# Altium PCB PCB_3U_DAC.PCBDOC (part 6 of 9) (continued)
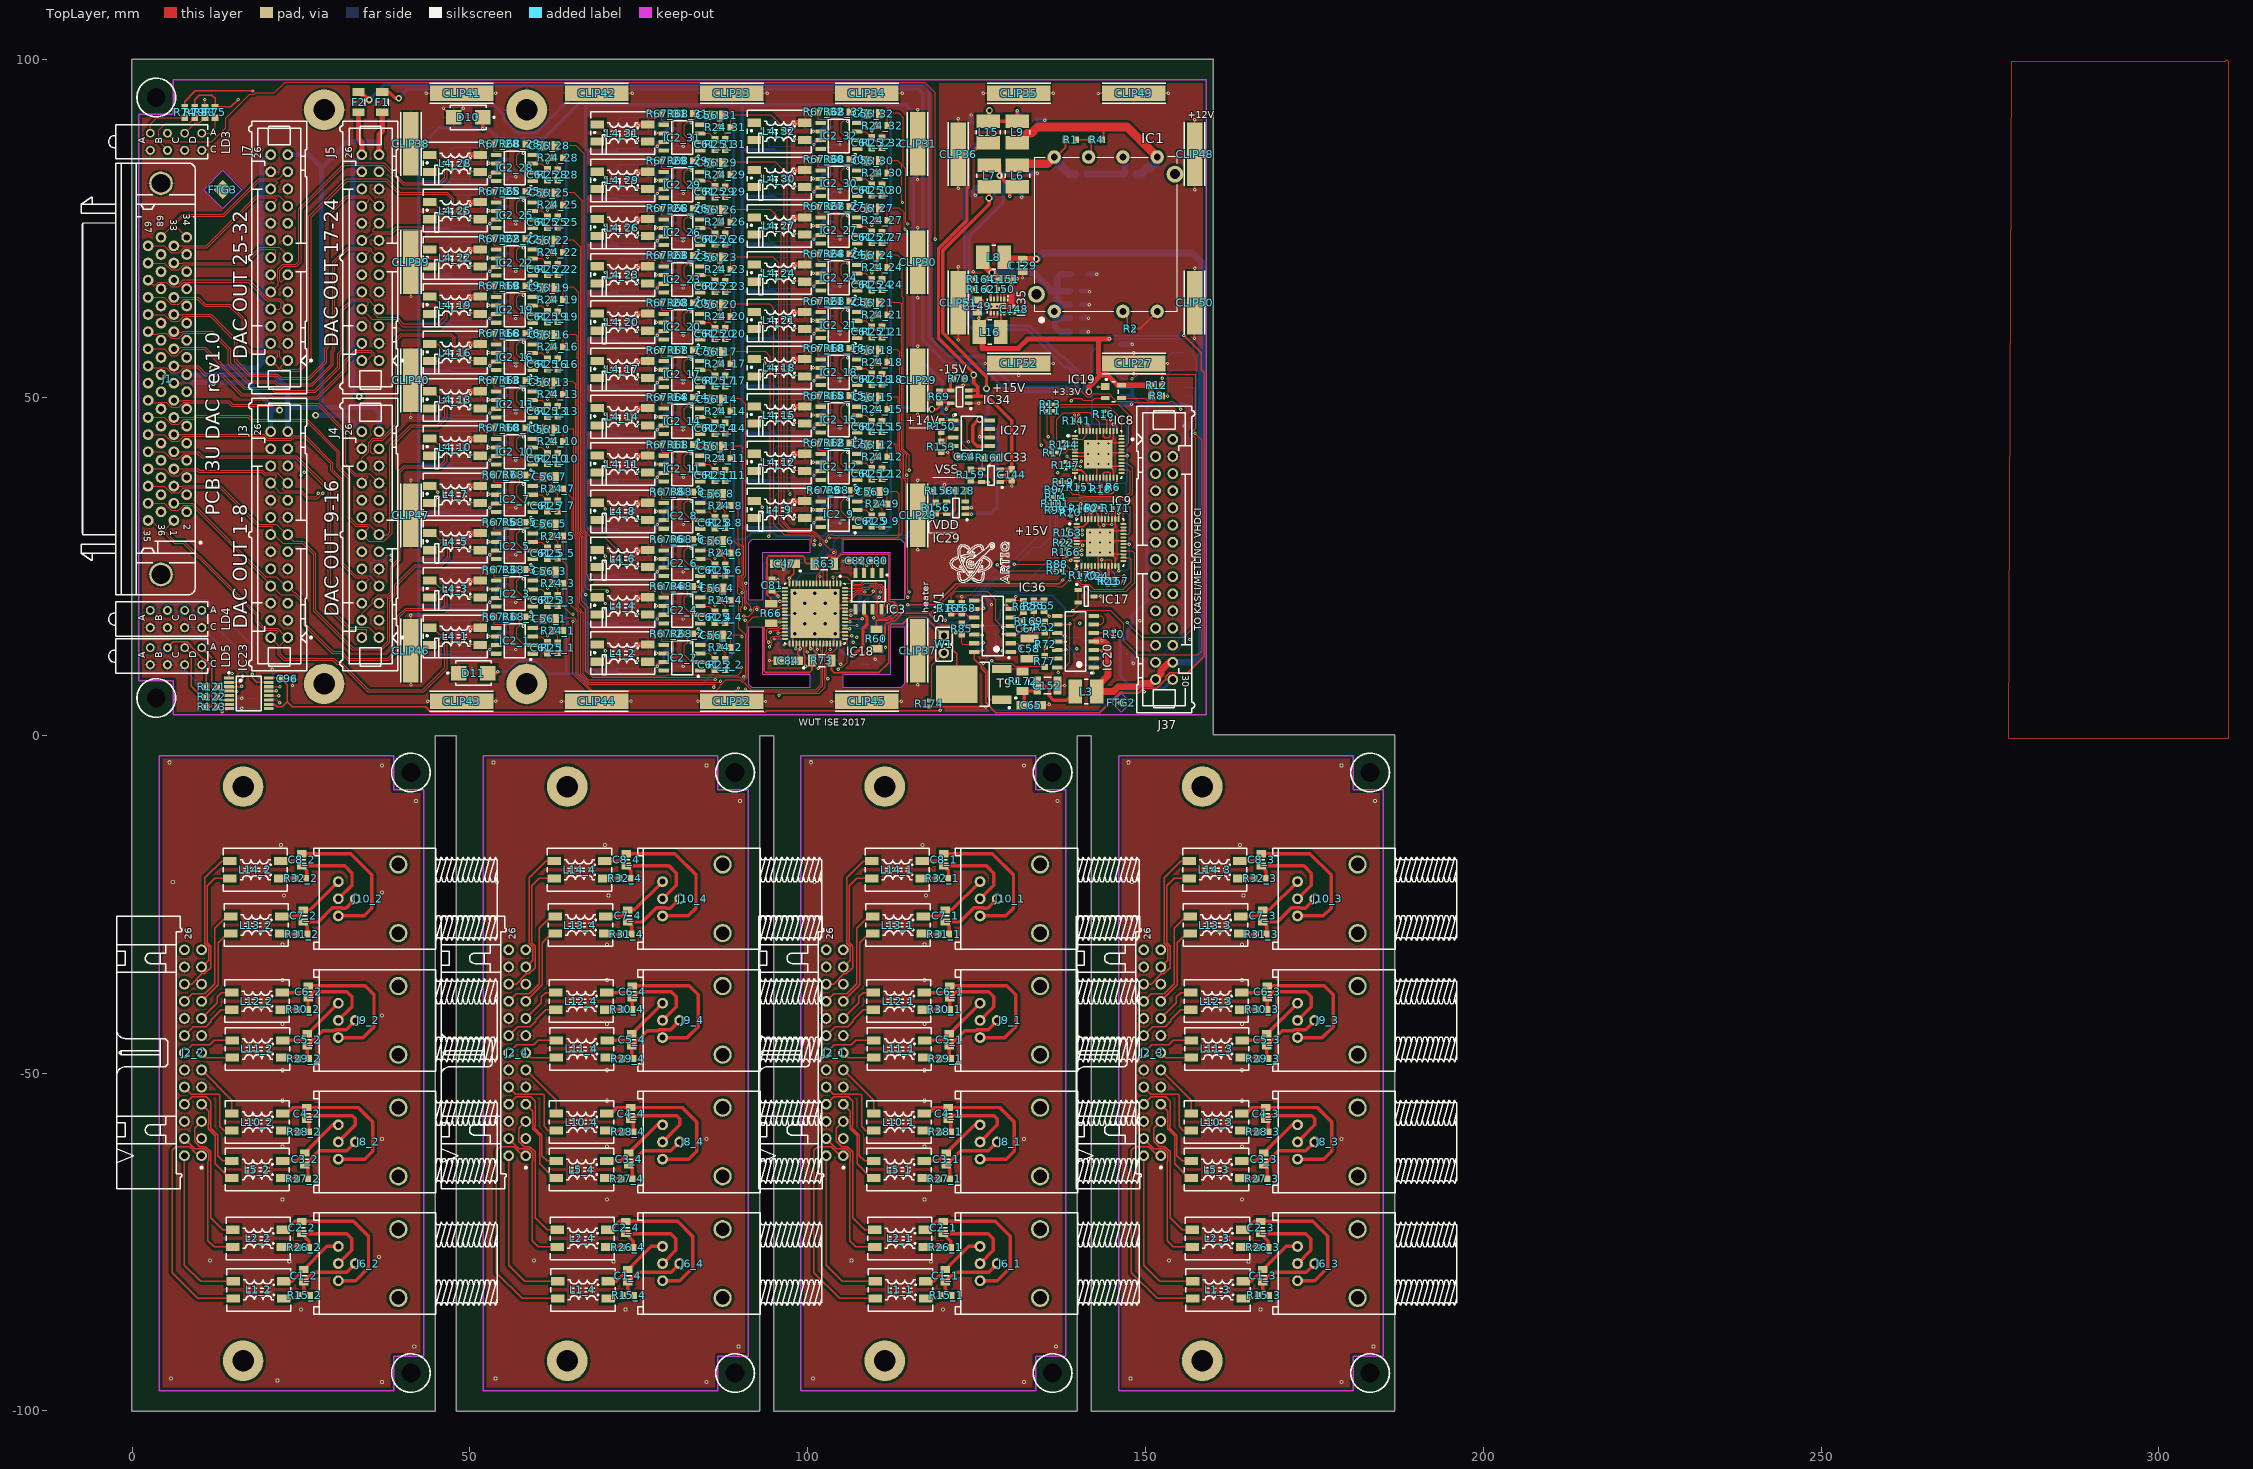
[diagram p0: TopLayer view]
## Nets (pads, with @x,y where several pads share a name; then routed paths per layer and width w, separated by ;. In a path a pad name is that pad's centre, name@x,y a point inside that pad or via, vN(x,y) a via of type N, cw(c..) or ccw(c..) an arc to the next point about the centre after c; other vN are vias at no path point) (continued)
NetC3_1_2: C3_1.2 J8_1.4 R27_1.1 | length 11.1
  TopLayer w0.508: R27_1.1@121.02,-65.634 121.02,-64.133 C3_1.2@120.525,-63.638 122.644,-61.519 126.734,-61.519 J8_1.4@128.047,-60.206
NetC3_2_1: C3_2.1 J8_2.1 L5_2.2 | length 10.5
  TopLayer w0.508: L5_2.2@22.265,-63.017 24.346,-63.017 C3_2.1@25.525,-61.838 29.697,-57.666 J8_2.1@30.507,-57.666
NetC3_2_2: C3_2.2 J8_2.4 R27_2.1 | length 11.1
  TopLayer w0.508: R27_2.1@26.02,-65.634 26.02,-64.133 C3_2.2@25.525,-63.638 27.644,-61.519 31.734,-61.519 J8_2.4@33.047,-60.206
NetC3_3_1: C3_3.1 J8_3.1 L5_3.2 | length 10.5
  TopLayer w0.508: L5_3.2@164.265,-63.017 166.346,-63.017 C3_3.1@167.525,-61.838 171.697,-57.666 J8_3.1@172.507,-57.666
NetC3_3_2: C3_3.2 J8_3.4 R27_3.1 | length 11.1
  TopLayer w0.508: R27_3.1@168.02,-65.634 168.02,-64.133 C3_3.2@167.525,-63.638 169.644,-61.519 173.734,-61.519 J8_3.4@175.047,-60.206
NetC3_4_1: C3_4.1 J8_4.1 L5_4.2 | length 10.5
  TopLayer w0.508: L5_4.2@70.265,-63.018 72.346,-63.018 C3_4.1@73.525,-61.838 77.697,-57.666 J8_4.1@78.507,-57.666
NetC3_4_2: C3_4.2 J8_4.4 R27_4.1 | length 11.1
  TopLayer w0.508: R27_4.1@74.02,-65.634 74.02,-64.133 C3_4.2@73.525,-63.638 75.644,-61.519 79.734,-61.519 J8_4.4@81.047,-60.206
NetC4_1_1: C4_1.1 J8_1.3 L10_1.2 | length 24.5
  TopLayer w0.508: L10_1.2@117.265,-55.982 117.965,-55.982 118.839,-55.107 C4_1.1@120.83,-55.107 128.444,-55.107 130.588,-57.252 130.588,-61.57 129.412,-62.746 J8_1.3@125.507,-62.746
NetC4_1_2: C4_1.2 J8_1.2 R28_1.1 | length 14
  TopLayer w0.508: R28_1.1@121.173,-58.699 121.173,-57.25 C4_1.2@120.83,-56.907 121.4,-56.337 127.591,-56.337 128.048,-56.794 128.048,-57.664 J8_1.2@125.507,-60.206
NetC4_2_1: C4_2.1 J8_2.3 L10_2.2 | length 24.5
  TopLayer w0.508: L10_2.2@22.265,-55.982 22.965,-55.982 23.839,-55.107 C4_2.1@25.83,-55.107 33.444,-55.107 35.588,-57.252 35.588,-61.57 34.412,-62.746 J8_2.3@30.507,-62.746
NetC4_2_2: C4_2.2 J8_2.2 R28_2.1 | length 14
  TopLayer w0.508: R28_2.1@26.173,-58.699 26.173,-57.25 C4_2.2@25.83,-56.907 26.4,-56.337 32.591,-56.337 33.048,-56.794 33.048,-57.664 J8_2.2@30.507,-60.206
NetC4_3_1: C4_3.1 J8_3.3 L10_3.2 | length 24.5
  TopLayer w0.508: L10_3.2@164.265,-55.982 164.965,-55.982 165.839,-55.107 C4_3.1@167.83,-55.107 175.444,-55.107 177.588,-57.252 177.588,-61.57 176.412,-62.746 J8_3.3@172.507,-62.746
NetC4_3_2: C4_3.2 J8_3.2 R28_3.1 | length 14
  TopLayer w0.508: R28_3.1@168.173,-58.699 168.173,-57.25 C4_3.2@167.83,-56.907 168.4,-56.337 174.591,-56.337 175.048,-56.794 175.048,-57.664 J8_3.2@172.507,-60.206
NetC4_4_1: C4_4.1 J8_4.3 L10_4.2 | length 24.5
  TopLayer w0.508: L10_4.2@70.265,-55.982 70.965,-55.982 71.839,-55.107 C4_4.1@73.83,-55.107 81.444,-55.107 83.588,-57.252 83.588,-61.57 82.412,-62.746 J8_4.3@78.507,-62.746
NetC4_4_2: C4_4.2 J8_4.2 R28_4.1 | length 14
  TopLayer w0.508: R28_4.1@74.173,-58.7 74.173,-57.25 C4_4.2@73.83,-56.907 74.4,-56.337 80.591,-56.337 81.048,-56.795 81.048,-57.665 J8_4.2@78.507,-60.206
NetC5_1_1: C5_1.1 J9_1.1 L11_1.2 | length 10.5
  TopLayer w0.508: L11_1.2@117.296,-45.165 119.961,-45.165 C5_1.1@120.937,-44.189 120.984,-44.189 J9_1.1@125.507,-39.666
NetC5_1_2: C5_1.2 J9_1.4 R29_1.1 | length 10.6
  TopLayer w0.508: R29_1.1@121.178,-47.858 120.937,-47.616 C5_1.2@120.937,-45.989 123.213,-43.713 124.869,-43.713 125.017,-43.565 126.688,-43.565 J9_1.4@128.047,-42.206
NetC5_2_1: C5_2.1 J9_2.1 L11_2.2 | length 10.5
  TopLayer w0.508: L11_2.2@22.296,-45.165 24.961,-45.165 C5_2.1@25.937,-44.189 25.984,-44.189 J9_2.1@30.507,-39.666
NetC5_2_2: C5_2.2 J9_2.4 R29_2.1 | length 10.6
  TopLayer w0.508: R29_2.1@26.178,-47.858 25.937,-47.616 C5_2.2@25.937,-45.989 28.213,-43.713 29.869,-43.713 30.017,-43.565 31.688,-43.565 J9_2.4@33.047,-42.206
NetC5_3_1: C5_3.1 J9_3.1 L11_3.2 | length 10.5
  TopLayer w0.508: L11_3.2@164.296,-45.165 166.961,-45.165 C5_3.1@167.937,-44.189 167.984,-44.189 J9_3.1@172.507,-39.666
NetC5_3_2: C5_3.2 J9_3.4 R29_3.1 | length 10.6
  TopLayer w0.508: R29_3.1@168.178,-47.858 167.937,-47.616 C5_3.2@167.937,-45.989 170.213,-43.713 171.869,-43.713 172.017,-43.565 173.688,-43.565 J9_3.4@175.047,-42.206
NetC5_4_1: C5_4.1 J9_4.1 L11_4.2 | length 10.5
  TopLayer w0.508: L11_4.2@70.296,-45.165 72.961,-45.165 C5_4.1@73.937,-44.189 73.984,-44.189 J9_4.1@78.507,-39.666
NetC5_4_2: C5_4.2 J9_4.4 R29_4.1 | length 10.6
  TopLayer w0.508: R29_4.1@74.178,-47.858 73.937,-47.617 C5_4.2@73.937,-45.989 76.213,-43.714 77.869,-43.714 78.017,-43.565 79.688,-43.565 J9_4.4@81.047,-42.206
NetC6_1_1: C6_1.1 J9_1.3 L12_1.2 | length 25.2
  TopLayer w0.508: L12_1.2@117.214,-38.095 120.032,-38.095 C6_1.1@121.033,-37.094 129.48,-37.094 130.792,-38.405 130.792,-43.129 129.175,-44.746 J9_1.3@125.507,-44.746
NetC6_1_2: C6_1.2 J9_1.2 R30_1.1 | length 13.2
  TopLayer w0.508: R30_1.1@121.02,-40.584 121.02,-38.93 121.978,-37.973 126.778,-37.973 127.54,-38.735 127.54,-40.172 J9_1.2@125.507,-42.206
NetC6_2_1: C6_2.1 J9_2.3 L12_2.2 | length 25.2
  TopLayer w0.508: L12_2.2@22.214,-38.095 25.032,-38.095 C6_2.1@26.033,-37.094 34.48,-37.094 35.792,-38.405 35.792,-43.129 34.175,-44.746 J9_2.3@30.507,-44.746
NetC6_2_2: C6_2.2 J9_2.2 R30_2.1 | length 13.2
  TopLayer w0.508: R30_2.1@26.02,-40.584 26.02,-38.93 26.978,-37.973 31.778,-37.973 32.54,-38.735 32.54,-40.172 J9_2.2@30.507,-42.206
NetC6_3_1: C6_3.1 J9_3.3 L12_3.2 | length 25.2
  TopLayer w0.508: L12_3.2@164.214,-38.095 167.032,-38.095 C6_3.1@168.033,-37.094 176.48,-37.094 177.792,-38.405 177.792,-43.129 176.175,-44.746 J9_3.3@172.507,-44.746
NetC6_3_2: C6_3.2 J9_3.2 R30_3.1 | length 13.2
  TopLayer w0.508: R30_3.1@168.02,-40.584 168.02,-38.93 168.978,-37.973 173.778,-37.973 174.54,-38.735 174.54,-40.172 J9_3.2@172.507,-42.206
NetC6_4_1: C6_4.1 J9_4.3 L12_4.2 | length 25.2
  TopLayer w0.508: L12_4.2@70.214,-38.095 73.032,-38.095 C6_4.1@74.033,-37.094 82.48,-37.094 83.792,-38.405 83.792,-43.129 82.175,-44.746 J9_4.3@78.507,-44.746
NetC6_4_2: C6_4.2 J9_4.2 R30_4.1 | length 13.2
  TopLayer w0.508: R30_4.1@74.02,-40.585 74.02,-38.931 74.978,-37.973 79.778,-37.973 80.54,-38.735 80.54,-40.173 J9_4.2@78.507,-42.206
NetC7_1_1: C7_1.1 J10_1.1 L13_1.2 | length 10.5
  TopLayer w0.508: L13_1.2@117.102,-26.821 119.361,-26.821 C7_1.1@120.337,-25.845 121.328,-25.845 J10_1.1@125.507,-21.666
NetC7_1_2: C7_1.2 J10_1.4 R31_1.1 | length 11.2
  TopLayer w0.508: R31_1.1@120.934,-29.437 120.934,-28.242 C7_1.2@120.337,-27.645 122.527,-27.645 124.607,-25.565 125.996,-25.565 126.034,-25.603 126.65,-25.603 J10_1.4@128.047,-24.206
NetC7_2_1: C7_2.1 J10_2.1 L13_2.2 | length 10.5
  TopLayer w0.508: L13_2.2@22.102,-26.821 24.361,-26.821 C7_2.1@25.337,-25.845 26.328,-25.845 J10_2.1@30.507,-21.666
NetC7_2_2: C7_2.2 J10_2.4 R31_2.1 | length 11.2
  TopLayer w0.508: R31_2.1@25.934,-29.437 25.934,-28.242 C7_2.2@25.337,-27.645 27.527,-27.645 29.607,-25.565 30.996,-25.565 31.034,-25.603 31.65,-25.603 J10_2.4@33.047,-24.206
NetC7_3_1: C7_3.1 J10_3.1 L13_3.2 | length 10.5
  TopLayer w0.508: L13_3.2@164.102,-26.821 166.361,-26.821 C7_3.1@167.337,-25.845 168.328,-25.845 J10_3.1@172.507,-21.666
NetC7_3_2: C7_3.2 J10_3.4 R31_3.1 | length 11.2
  TopLayer w0.508: R31_3.1@167.934,-29.437 167.934,-28.242 C7_3.2@167.337,-27.645 169.527,-27.645 171.607,-25.565 172.996,-25.565 173.034,-25.603 173.65,-25.603 J10_3.4@175.047,-24.206
NetC7_4_1: C7_4.1 J10_4.1 L13_4.2 | length 10.5
  TopLayer w0.508: L13_4.2@70.102,-26.821 72.361,-26.821 C7_4.1@73.337,-25.845 74.328,-25.845 J10_4.1@78.507,-21.666
NetC7_4_2: C7_4.2 J10_4.4 R31_4.1 | length 11.2
  TopLayer w0.508: R31_4.1@73.934,-29.437 73.934,-28.242 C7_4.2@73.337,-27.645 75.527,-27.645 77.607,-25.565 78.996,-25.565 79.034,-25.603 79.65,-25.603 J10_4.4@81.047,-24.206
NetC8_1_1: C8_1.1 J10_1.3 L14_1.2 | length 25.6
  TopLayer w0.508: L14_1.2@116.975,-18.642 119.005,-18.642 C8_1.1@120.108,-17.539 127.325,-17.539 130.461,-20.676 130.461,-25.603 129.318,-26.746 J10_1.3@125.507,-26.746
NetC8_1_2: C8_1.2 J10_1.2 R32_1.1 | length 14.7
  TopLayer w0.508: R32_1.1@120.73,-21.182 120.835,-21.078 120.835,-20.066 C8_1.2@120.108,-19.339 126.458,-19.339 127.54,-20.422 127.54,-22.172 J10_1.2@125.507,-24.206
NetC8_2_1: C8_2.1 J10_2.3 L14_2.2 | length 25.6
  TopLayer w0.508: L14_2.2@21.975,-18.642 24.005,-18.642 C8_2.1@25.108,-17.539 32.325,-17.539 35.461,-20.676 35.461,-25.603 34.318,-26.746 J10_2.3@30.507,-26.746
NetC8_2_2: C8_2.2 J10_2.2 R32_2.1 | length 14.7
  TopLayer w0.508: R32_2.1@25.73,-21.182 25.835,-21.078 25.835,-20.066 C8_2.2@25.108,-19.339 31.458,-19.339 32.54,-20.422 32.54,-22.172 J10_2.2@30.507,-24.206
NetC8_3_1: C8_3.1 J10_3.3 L14_3.2 | length 25.6
  TopLayer w0.508: L14_3.2@163.975,-18.642 166.005,-18.642 C8_3.1@167.108,-17.539 174.325,-17.539 177.461,-20.676 177.461,-25.603 176.318,-26.746 J10_3.3@172.507,-26.746
NetC8_3_2: C8_3.2 J10_3.2 R32_3.1 | length 14.7
  TopLayer w0.508: R32_3.1@167.73,-21.182 167.835,-21.078 167.835,-20.066 C8_3.2@167.108,-19.339 173.458,-19.339 174.54,-20.422 174.54,-22.172 J10_3.2@172.507,-24.206
NetC8_4_1: C8_4.1 J10_4.3 L14_4.2 | length 25.6
  TopLayer w0.508: L14_4.2@69.975,-18.642 72.005,-18.642 C8_4.1@73.108,-17.539 80.325,-17.539 83.461,-20.676 83.461,-25.603 82.318,-26.746 J10_4.3@78.507,-26.746
NetC8_4_2: C8_4.2 J10_4.2 R32_4.1 | length 14.7
  TopLayer w0.508: R32_4.1@73.73,-21.182 73.835,-21.078 73.835,-20.066 C8_4.2@73.108,-19.339 79.458,-19.339 80.54,-20.422 80.54,-22.173 J10_4.2@78.507,-24.206
NetC9_2: C9.2 C12.1 C78.2 C79.1 C81.2 IC3.6 IC18.18 IC18.41 | length 37.9
  TopLayer w0.127: C81.2@94.459,21.333 94.511,21.281 IC18.18@96.613,21.281 ; IC18.41@101.313,13.581 101.313,12.828 v1(101.444,12.697)
  TopLayer w0.508: C81.2@94.967,21.206 v1(95.602,20.571) ; v1(106.5,11.75) 106.719,11.75 108.175,13.205 108.175,15.745 108.771,16.341 108.771,17.459 108.491,17.738 108.471,17.738 108.344,17.865 IC3.6@108.344,18.62 v1(108.344,19.725)
  BottomLayer w0.254: v1(95.602,20.571) 95.658,20.515 96.039,20.515 96.491,20.063 96.491,15.237 95.504,14.25 95.504,14.041 95.475,14.012 95.475,12.824 96.872,11.427 C79.1@101.16,11.427
  BottomLayer w0.508: C12.1@94.586,20.347 95.378,20.347 v1(95.602,20.571) ; C79.1@101.16,11.427 101.16,12.54 101.316,12.697 C78.2@101.316,13.263 ; C78.2@101.444,13.332 103.347,13.332 103.4,13.385 104.058,13.385 105.693,11.75 v1(106.5,11.75) ; v1(108.344,19.725) C9.2@108.937,20.317
NetC13_2: C13.2 C14.1 C83.2 IC18.52 IC18.57 R7.2 | length 9.8
  TopLayer w0.152: IC18.52@105.513,15.781 v1(106.234,15.781) ; IC18.57@105.513,18.281 106.266,18.281 106.322,18.337 106.322,18.428 v1(106.397,18.503)
  Signal Layer 1 w0.152: v1(106.234,15.781) 105.734,16.281 105.734,17.763 106.397,18.427 v1(106.397,18.503)
  BottomLayer w0.152: C83.2@105.577,15.745 v1@106.27,15.745
  BottomLayer w0.508: C13.2@105.762,18.539 105.859,18.442 107.667,18.442 107.667,20.444 R7.2@107.794,20.571
NetC56_1_1: C56_1.1 R24_1.2 R25_1.1 | length 4
  TopLayer w0.152: C56_1.1@62.622,17.272 62.192,16.842 R24_1.2@62.192,15.494 62.992,14.694 R25_1.1@62.992,13.754
NetC56_1_2: C56_1.2 IC2_1.6 R39_1.1 R67_1.2 | length 20.1
  TopLayer w0.152: v1(52.796,14.651) 53.861,14.651 IC2_1.6@53.907,14.605 55.052,14.605 55.377,14.93 55.377,16.207 55.159,16.425 53.635,16.425 53.556,16.504 R67_1.2@53.556,17.526 ; v1(57.912,16.155) 58.58,16.823 58.866,16.823 59.315,17.272 C56_1.2@60.822,17.272
  BottomLayer w0.152: R39_1.1@51.763,12.306 51.763,13.917 52.497,14.651 v1(52.796,14.651) 52.796,15.744 53.772,16.72 56.429,16.72 56.994,16.155 v1(57.912,16.155)
NetC56_2_1: C56_2.1 R24_2.2 R25_2.1 | length 4
  TopLayer w0.152: C56_2.1@87.422,14.772 86.992,14.342 R24_2.2@86.992,12.994 87.792,12.194 R25_2.1@87.792,11.254
NetC56_2_2: C56_2.2 IC2_2.6 R39_2.1 R67_2.2 | length 20.1
  TopLayer w0.152: v1(77.596,12.151) 78.661,12.151 IC2_2.6@78.707,12.105 79.852,12.105 80.177,12.43 80.177,13.707 79.959,13.925 78.435,13.925 78.356,14.004 R67_2.2@78.356,15.026 ; v1(82.712,13.655) 83.38,14.323 83.666,14.323 84.115,14.772 C56_2.2@85.622,14.772
  BottomLayer w0.152: R39_2.1@76.563,9.806 76.563,11.417 77.297,12.151 v1(77.596,12.151) 77.596,13.244 78.572,14.22 81.229,14.22 81.794,13.655 v1(82.712,13.655)
NetC56_3_1: C56_3.1 R24_3.2 R25_3.1 | length 4
  TopLayer w0.152: C56_3.1@62.622,24.272 62.192,23.842 R24_3.2@62.192,22.494 62.992,21.694 R25_3.1@62.992,20.754
NetC56_3_2: C56_3.2 IC2_3.6 R39_3.1 R67_3.2 | length 20.1
  TopLayer w0.152: v1(52.796,21.651) 53.861,21.651 IC2_3.6@53.907,21.605 55.052,21.605 55.377,21.93 55.377,23.207 55.159,23.425 53.635,23.425 53.556,23.504 R67_3.2@53.556,24.526 ; v1(57.912,23.155) 58.58,23.823 58.866,23.823 59.315,24.272 C56_3.2@60.822,24.272
  BottomLayer w0.152: R39_3.1@51.763,19.306 51.763,20.917 52.497,21.651 v1(52.796,21.651) 52.796,22.744 53.772,23.72 56.429,23.72 56.994,23.155 v1(57.912,23.155)
NetC56_4_1: C56_4.1 R24_4.2 R25_4.1 | length 4
  TopLayer w0.152: C56_4.1@87.422,21.772 86.992,21.342 R24_4.2@86.992,19.994 87.792,19.194 R25_4.1@87.792,18.254
NetC56_4_2: C56_4.2 IC2_4.6 R39_4.1 R67_4.2 | length 20.1
  TopLayer w0.152: v1(77.596,19.151) 78.661,19.151 IC2_4.6@78.707,19.105 79.852,19.105 80.177,19.43 80.177,20.707 79.959,20.925 78.435,20.925 78.356,21.004 R67_4.2@78.356,22.026 ; v1(82.712,20.655) 83.38,21.323 83.666,21.323 84.115,21.772 C56_4.2@85.622,21.772
  BottomLayer w0.152: R39_4.1@76.563,16.806 76.563,18.417 77.297,19.151 v1(77.596,19.151) 77.596,20.244 78.572,21.22 81.229,21.22 81.794,20.655 v1(82.712,20.655)
NetC56_5_1: C56_5.1 R24_5.2 R25_5.1 | length 4
  TopLayer w0.152: C56_5.1@62.622,31.272 62.192,30.842 R24_5.2@62.192,29.494 62.992,28.694 R25_5.1@62.992,27.754
NetC56_5_2: C56_5.2 IC2_5.6 R39_5.1 R67_5.2 | length 20.1
  TopLayer w0.152: v1(52.796,28.651) 53.861,28.651 IC2_5.6@53.907,28.605 55.052,28.605 55.377,28.93 55.377,30.207 55.159,30.425 53.635,30.425 53.556,30.504 R67_5.2@53.556,31.526 ; v1(57.912,30.155) 58.58,30.823 58.866,30.823 59.315,31.272 C56_5.2@60.822,31.272
  BottomLayer w0.152: R39_5.1@51.763,26.306 51.763,27.917 52.497,28.651 v1(52.796,28.651) 52.796,29.744 53.772,30.72 56.429,30.72 56.994,30.155 v1(57.912,30.155)
NetC56_6_1: C56_6.1 R24_6.2 R25_6.1 | length 4
  TopLayer w0.152: C56_6.1@87.422,28.772 86.992,28.342 R24_6.2@86.992,26.994 87.792,26.194 R25_6.1@87.792,25.254
NetC56_6_2: C56_6.2 IC2_6.6 R39_6.1 R67_6.2 | length 20.1
  TopLayer w0.152: v1(77.596,26.151) 78.661,26.151 IC2_6.6@78.707,26.105 79.852,26.105 80.177,26.43 80.177,27.707 79.959,27.925 78.435,27.925 78.356,28.004 R67_6.2@78.356,29.026 ; v1(82.712,27.655) 83.38,28.323 83.666,28.323 84.115,28.772 C56_6.2@85.622,28.772
  BottomLayer w0.152: R39_6.1@76.563,23.806 76.563,25.417 77.297,26.151 v1(77.596,26.151) 77.596,27.244 78.572,28.22 81.229,28.22 81.794,27.655 v1(82.712,27.655)
NetC56_7_1: C56_7.1 R24_7.2 R25_7.1 | length 4
  TopLayer w0.152: C56_7.1@62.622,38.272 62.192,37.842 R24_7.2@62.192,36.494 62.992,35.694 R25_7.1@62.992,34.754
NetC56_7_2: C56_7.2 IC2_7.6 R39_7.1 R67_7.2 | length 20.1
  TopLayer w0.152: v1(52.796,35.651) 53.861,35.651 IC2_7.6@53.907,35.605 55.052,35.605 55.377,35.93 55.377,37.207 55.159,37.425 53.635,37.425 53.556,37.504 R67_7.2@53.556,38.526 ; v1(57.912,37.155) 58.58,37.823 58.866,37.823 59.315,38.272 C56_7.2@60.822,38.272
  BottomLayer w0.152: R39_7.1@51.763,33.306 51.763,34.917 52.497,35.651 v1(52.796,35.651) 52.796,36.744 53.772,37.72 56.429,37.72 56.994,37.155 v1(57.912,37.155)
NetC56_8_1: C56_8.1 R24_8.2 R25_8.1 | length 4
  TopLayer w0.152: C56_8.1@87.422,35.772 86.992,35.342 R24_8.2@86.992,33.994 87.792,33.194 R25_8.1@87.792,32.254
NetC56_8_2: C56_8.2 IC2_8.6 R39_8.1 R67_8.2 | length 20.1
  TopLayer w0.152: v1(77.596,33.151) 78.661,33.151 IC2_8.6@78.707,33.105 79.852,33.105 80.177,33.43 80.177,34.707 79.959,34.925 78.435,34.925 78.356,35.004 R67_8.2@78.356,36.026 ; v1(82.712,34.655) 83.38,35.323 83.666,35.323 84.115,35.772 C56_8.2@85.622,35.772
  BottomLayer w0.152: R39_8.1@76.563,30.806 76.563,32.417 77.297,33.151 v1(77.596,33.151) 77.596,34.244 78.572,35.22 81.229,35.22 81.794,34.655 v1(82.712,34.655)
NetC56_9_1: C56_9.1 R24_9.2 R25_9.1 | length 4
  TopLayer w0.152: C56_9.1@110.622,36.022 110.192,35.592 R24_9.2@110.192,34.244 110.992,33.444 R25_9.1@110.992,32.504
NetC56_9_2: C56_9.2 IC2_9.6 R39_9.1 R67_9.2 | length 20.1
  TopLayer w0.152: v1(100.796,33.401) 101.861,33.401 IC2_9.6@101.907,33.355 103.052,33.355 103.377,33.68 103.377,34.957 103.159,35.175 101.635,35.175 101.556,35.254 R67_9.2@101.556,36.276 ; v1(105.912,34.905) 106.58,35.573 106.866,35.573 107.315,36.022 C56_9.2@108.822,36.022
  BottomLayer w0.152: R39_9.1@99.763,31.056 99.763,32.667 100.497,33.401 v1(100.796,33.401) 100.796,34.494 101.772,35.47 104.429,35.47 104.994,34.905 v1(105.912,34.905)
NetC56_10_1: C56_10.1 R24_10.2 R25_10.1 | length 4
  TopLayer w0.152: C56_10.1@62.622,45.272 62.192,44.842 R24_10.2@62.192,43.494 62.992,42.694 R25_10.1@62.992,41.754
NetC56_10_2: C56_10.2 IC2_10.6 R39_10.1 R67_10.2 | length 20.1
  TopLayer w0.152: v1(52.796,42.651) 53.861,42.651 IC2_10.6@53.907,42.605 55.052,42.605 55.377,42.93 55.377,44.207 55.159,44.425 53.635,44.425 53.556,44.504 R67_10.2@53.556,45.526 ; v1(57.912,44.155) 58.58,44.823 58.866,44.823 59.315,45.272 C56_10.2@60.822,45.272
  BottomLayer w0.152: R39_10.1@51.763,40.306 51.763,41.917 52.497,42.651 v1(52.796,42.651) 52.796,43.744 53.772,44.72 56.429,44.72 56.994,44.155 v1(57.912,44.155)
NetC56_11_1: C56_11.1 R24_11.2 R25_11.1 | length 4
  TopLayer w0.152: C56_11.1@87.422,42.772 86.992,42.342 R24_11.2@86.992,40.994 87.792,40.194 R25_11.1@87.792,39.254
NetC56_11_2: C56_11.2 IC2_11.6 R39_11.1 R67_11.2 | length 20.1
  TopLayer w0.152: v1(77.596,40.151) 78.661,40.151 IC2_11.6@78.707,40.105 79.852,40.105 80.177,40.43 80.177,41.707 79.959,41.925 78.435,41.925 78.356,42.004 R67_11.2@78.356,43.026 ; v1(82.712,41.655) 83.38,42.323 83.666,42.323 84.115,42.772 C56_11.2@85.622,42.772
  BottomLayer w0.152: R39_11.1@76.563,37.806 76.563,39.417 77.297,40.151 v1(77.596,40.151) 77.596,41.244 78.572,42.22 81.229,42.22 81.794,41.655 v1(82.712,41.655)
NetC56_12_1: C56_12.1 R24_12.2 R25_12.1 | length 4
  TopLayer w0.152: C56_12.1@110.622,43.022 110.192,42.592 R24_12.2@110.192,41.244 110.992,40.444 R25_12.1@110.992,39.504
NetC56_12_2: C56_12.2 IC2_12.6 R39_12.1 R67_12.2 | length 20.1
  TopLayer w0.152: v1(100.796,40.401) 101.861,40.401 IC2_12.6@101.907,40.355 103.052,40.355 103.377,40.68 103.377,41.957 103.159,42.175 101.635,42.175 101.556,42.254 R67_12.2@101.556,43.276 ; v1(105.912,41.905) 106.58,42.573 106.866,42.573 107.315,43.022 C56_12.2@108.822,43.022
  BottomLayer w0.152: R39_12.1@99.763,38.056 99.763,39.667 100.497,40.401 v1(100.796,40.401) 100.796,41.494 101.772,42.47 104.429,42.47 104.994,41.905 v1(105.912,41.905)
NetC56_13_1: C56_13.1 R24_13.2 R25_13.1 | length 4
  TopLayer w0.152: C56_13.1@62.622,52.272 62.192,51.842 R24_13.2@62.192,50.494 62.992,49.694 R25_13.1@62.992,48.754
NetC56_13_2: C56_13.2 IC2_13.6 R39_13.1 R67_13.2 | length 20.1
  TopLayer w0.152: v1(52.796,49.651) 53.861,49.651 IC2_13.6@53.907,49.605 55.052,49.605 55.377,49.93 55.377,51.207 55.159,51.425 53.635,51.425 53.556,51.504 R67_13.2@53.556,52.526 ; v1(57.912,51.155) 58.58,51.823 58.866,51.823 59.315,52.272 C56_13.2@60.822,52.272
  BottomLayer w0.152: R39_13.1@51.763,47.306 51.763,48.917 52.497,49.651 v1(52.796,49.651) 52.796,50.744 53.772,51.72 56.429,51.72 56.994,51.155 v1(57.912,51.155)
NetC56_14_1: C56_14.1 R24_14.2 R25_14.1 | length 4
  TopLayer w0.152: C56_14.1@87.422,49.772 86.992,49.342 R24_14.2@86.992,47.994 87.792,47.194 R25_14.1@87.792,46.254
NetC56_14_2: C56_14.2 IC2_14.6 R39_14.1 R67_14.2 | length 20.1
  TopLayer w0.152: v1(77.596,47.151) 78.661,47.151 IC2_14.6@78.707,47.105 79.852,47.105 80.177,47.43 80.177,48.707 79.959,48.925 78.435,48.925 78.356,49.004 R67_14.2@78.356,50.026 ; v1(82.712,48.655) 83.38,49.323 83.666,49.323 84.115,49.772 C56_14.2@85.622,49.772
  BottomLayer w0.152: R39_14.1@76.563,44.806 76.563,46.417 77.297,47.151 v1(77.596,47.151) 77.596,48.244 78.572,49.22 81.229,49.22 81.794,48.655 v1(82.712,48.655)
NetC56_15_1: C56_15.1 R24_15.2 R25_15.1 | length 4
  TopLayer w0.152: C56_15.1@110.622,50.022 110.192,49.592 R24_15.2@110.192,48.244 110.992,47.444 R25_15.1@110.992,46.504
NetC56_15_2: C56_15.2 IC2_15.6 R39_15.1 R67_15.2 | length 20.1
  TopLayer w0.152: v1(100.796,47.401) 101.861,47.401 IC2_15.6@101.907,47.355 103.052,47.355 103.377,47.68 103.377,48.957 103.159,49.175 101.635,49.175 101.556,49.254 R67_15.2@101.556,50.276 ; v1(105.912,48.905) 106.58,49.573 106.866,49.573 107.315,50.022 C56_15.2@108.822,50.022
  BottomLayer w0.152: R39_15.1@99.763,45.056 99.763,46.667 100.497,47.401 v1(100.796,47.401) 100.796,48.494 101.772,49.47 104.429,49.47 104.994,48.905 v1(105.912,48.905)
NetC56_16_1: C56_16.1 R24_16.2 R25_16.1 | length 4
  TopLayer w0.152: C56_16.1@62.622,59.272 62.192,58.842 R24_16.2@62.192,57.494 62.992,56.694 R25_16.1@62.992,55.754
NetC56_16_2: C56_16.2 IC2_16.6 R39_16.1 R67_16.2 | length 20.1
  TopLayer w0.152: v1(52.796,56.651) 53.861,56.651 IC2_16.6@53.907,56.605 55.052,56.605 55.377,56.93 55.377,58.207 55.159,58.425 53.635,58.425 53.556,58.504 R67_16.2@53.556,59.526 ; v1(57.912,58.155) 58.58,58.823 58.866,58.823 59.315,59.272 C56_16.2@60.822,59.272
  BottomLayer w0.152: R39_16.1@51.763,54.306 51.763,55.917 52.497,56.651 v1(52.796,56.651) 52.796,57.744 53.772,58.72 56.429,58.72 56.994,58.155 v1(57.912,58.155)
NetC56_17_1: C56_17.1 R24_17.2 R25_17.1 | length 4
  TopLayer w0.152: C56_17.1@87.422,56.772 86.992,56.342 R24_17.2@86.992,54.994 87.792,54.194 R25_17.1@87.792,53.254
NetC56_17_2: C56_17.2 IC2_17.6 R39_17.1 R67_17.2 | length 20.1
  TopLayer w0.152: v1(77.596,54.151) 78.661,54.151 IC2_17.6@78.707,54.105 79.852,54.105 80.177,54.43 80.177,55.707 79.959,55.925 78.435,55.925 78.356,56.004 R67_17.2@78.356,57.026 ; v1(82.712,55.655) 83.38,56.323 83.666,56.323 84.115,56.772 C56_17.2@85.622,56.772
  BottomLayer w0.152: R39_17.1@76.563,51.806 76.563,53.417 77.297,54.151 v1(77.596,54.151) 77.596,55.244 78.572,56.22 81.229,56.22 81.794,55.655 v1(82.712,55.655)
NetC56_18_1: C56_18.1 R24_18.2 R25_18.1 | length 4
  TopLayer w0.152: C56_18.1@110.622,57.022 110.192,56.592 R24_18.2@110.192,55.244 110.992,54.444 R25_18.1@110.992,53.504
NetC56_18_2: C56_18.2 IC2_18.6 R39_18.1 R67_18.2 | length 20.1
  TopLayer w0.152: v1(100.796,54.401) 101.861,54.401 IC2_18.6@101.907,54.355 103.052,54.355 103.377,54.68 103.377,55.957 103.159,56.175 101.635,56.175 101.556,56.254 R67_18.2@101.556,57.276 ; v1(105.912,55.905) 106.58,56.573 106.866,56.573 107.315,57.022 C56_18.2@108.822,57.022
  BottomLayer w0.152: R39_18.1@99.763,52.056 99.763,53.667 100.497,54.401 v1(100.796,54.401) 100.796,55.494 101.772,56.47 104.429,56.47 104.994,55.905 v1(105.912,55.905)
NetC56_19_1: C56_19.1 R24_19.2 R25_19.1 | length 4
  TopLayer w0.152: C56_19.1@62.622,66.272 62.192,65.842 R24_19.2@62.192,64.494 62.992,63.694 R25_19.1@62.992,62.754
NetC56_19_2: C56_19.2 IC2_19.6 R39_19.1 R67_19.2 | length 20.1
  TopLayer w0.152: v1(52.796,63.651) 53.861,63.651 IC2_19.6@53.907,63.605 55.052,63.605 55.377,63.93 55.377,65.207 55.159,65.425 53.635,65.425 53.556,65.504 R67_19.2@53.556,66.526 ; v1(57.912,65.155) 58.58,65.823 58.866,65.823 59.315,66.272 C56_19.2@60.822,66.272
  BottomLayer w0.152: R39_19.1@51.763,61.306 51.763,62.917 52.497,63.651 v1(52.796,63.651) 52.796,64.744 53.772,65.72 56.429,65.72 56.994,65.155 v1(57.912,65.155)
NetC56_20_1: C56_20.1 R24_20.2 R25_20.1 | length 4
  TopLayer w0.152: C56_20.1@87.422,63.772 86.992,63.342 R24_20.2@86.992,61.994 87.792,61.194 R25_20.1@87.792,60.254
NetC56_20_2: C56_20.2 IC2_20.6 R39_20.1 R67_20.2 | length 20.1
  TopLayer w0.152: v1(77.596,61.151) 78.661,61.151 IC2_20.6@78.707,61.105 79.852,61.105 80.177,61.43 80.177,62.707 79.959,62.925 78.435,62.925 78.356,63.004 R67_20.2@78.356,64.026 ; v1(82.712,62.655) 83.38,63.323 83.666,63.323 84.115,63.772 C56_20.2@85.622,63.772
  BottomLayer w0.152: R39_20.1@76.563,58.806 76.563,60.417 77.297,61.151 v1(77.596,61.151) 77.596,62.244 78.572,63.22 81.229,63.22 81.794,62.655 v1(82.712,62.655)
NetC56_21_1: C56_21.1 R24_21.2 R25_21.1 | length 4
  TopLayer w0.152: C56_21.1@110.622,64.022 110.192,63.592 R24_21.2@110.192,62.244 110.992,61.444 R25_21.1@110.992,60.504
NetC56_21_2: C56_21.2 IC2_21.6 R39_21.1 R67_21.2 | length 20.1
  TopLayer w0.152: v1(100.796,61.401) 101.861,61.401 IC2_21.6@101.907,61.355 103.052,61.355 103.377,61.68 103.377,62.957 103.159,63.175 101.635,63.175 101.556,63.254 R67_21.2@101.556,64.276 ; v1(105.912,62.905) 106.58,63.573 106.866,63.573 107.315,64.022 C56_21.2@108.822,64.022
  BottomLayer w0.152: R39_21.1@99.763,59.056 99.763,60.667 100.497,61.401 v1(100.796,61.401) 100.796,62.494 101.772,63.47 104.429,63.47 104.994,62.905 v1(105.912,62.905)
NetC56_22_1: C56_22.1 R24_22.2 R25_22.1 | length 4
  TopLayer w0.152: C56_22.1@62.622,73.272 62.192,72.842 R24_22.2@62.192,71.494 62.992,70.694 R25_22.1@62.992,69.754
NetC56_22_2: C56_22.2 IC2_22.6 R39_22.1 R67_22.2 | length 20.1
  TopLayer w0.152: v1(52.796,70.651) 53.861,70.651 IC2_22.6@53.907,70.605 55.052,70.605 55.377,70.93 55.377,72.207 55.159,72.425 53.635,72.425 53.556,72.504 R67_22.2@53.556,73.526 ; v1(57.912,72.155) 58.58,72.823 58.866,72.823 59.315,73.272 C56_22.2@60.822,73.272
  BottomLayer w0.152: R39_22.1@51.763,68.306 51.763,69.917 52.497,70.651 v1(52.796,70.651) 52.796,71.744 53.772,72.72 56.429,72.72 56.994,72.155 v1(57.912,72.155)
NetC56_23_1: C56_23.1 R24_23.2 R25_23.1 | length 4
  TopLayer w0.152: C56_23.1@87.422,70.772 86.992,70.342 R24_23.2@86.992,68.994 87.792,68.194 R25_23.1@87.792,67.254
NetC56_23_2: C56_23.2 IC2_23.6 R39_23.1 R67_23.2 | length 20.1
  TopLayer w0.152: v1(77.596,68.151) 78.661,68.151 IC2_23.6@78.707,68.105 79.852,68.105 80.177,68.43 80.177,69.707 79.959,69.925 78.435,69.925 78.356,70.004 R67_23.2@78.356,71.026 ; v1(82.712,69.655) 83.38,70.323 83.666,70.323 84.115,70.772 C56_23.2@85.622,70.772
  BottomLayer w0.152: R39_23.1@76.563,65.806 76.563,67.417 77.297,68.151 v1(77.596,68.151) 77.596,69.244 78.572,70.22 81.229,70.22 81.794,69.655 v1(82.712,69.655)
NetC56_24_1: C56_24.1 R24_24.2 R25_24.1 | length 4
  TopLayer w0.152: C56_24.1@110.622,71.022 110.192,70.592 R24_24.2@110.192,69.244 110.992,68.444 R25_24.1@110.992,67.504
NetC56_24_2: C56_24.2 IC2_24.6 R39_24.1 R67_24.2 | length 20.1
  TopLayer w0.152: v1(100.796,68.401) 101.861,68.401 IC2_24.6@101.907,68.355 103.052,68.355 103.377,68.68 103.377,69.957 103.159,70.175 101.635,70.175 101.556,70.254 R67_24.2@101.556,71.276 ; v1(105.912,69.905) 106.58,70.573 106.866,70.573 107.315,71.022 C56_24.2@108.822,71.022
  BottomLayer w0.152: R39_24.1@99.763,66.056 99.763,67.667 100.497,68.401 v1(100.796,68.401) 100.796,69.494 101.772,70.47 104.429,70.47 104.994,69.905 v1(105.912,69.905)
NetC56_25_1: C56_25.1 R24_25.2 R25_25.1 | length 4
  TopLayer w0.152: C56_25.1@62.622,80.272 62.192,79.842 R24_25.2@62.192,78.494 62.992,77.694 R25_25.1@62.992,76.754